# Allegro board trx_layout.brd (continued)
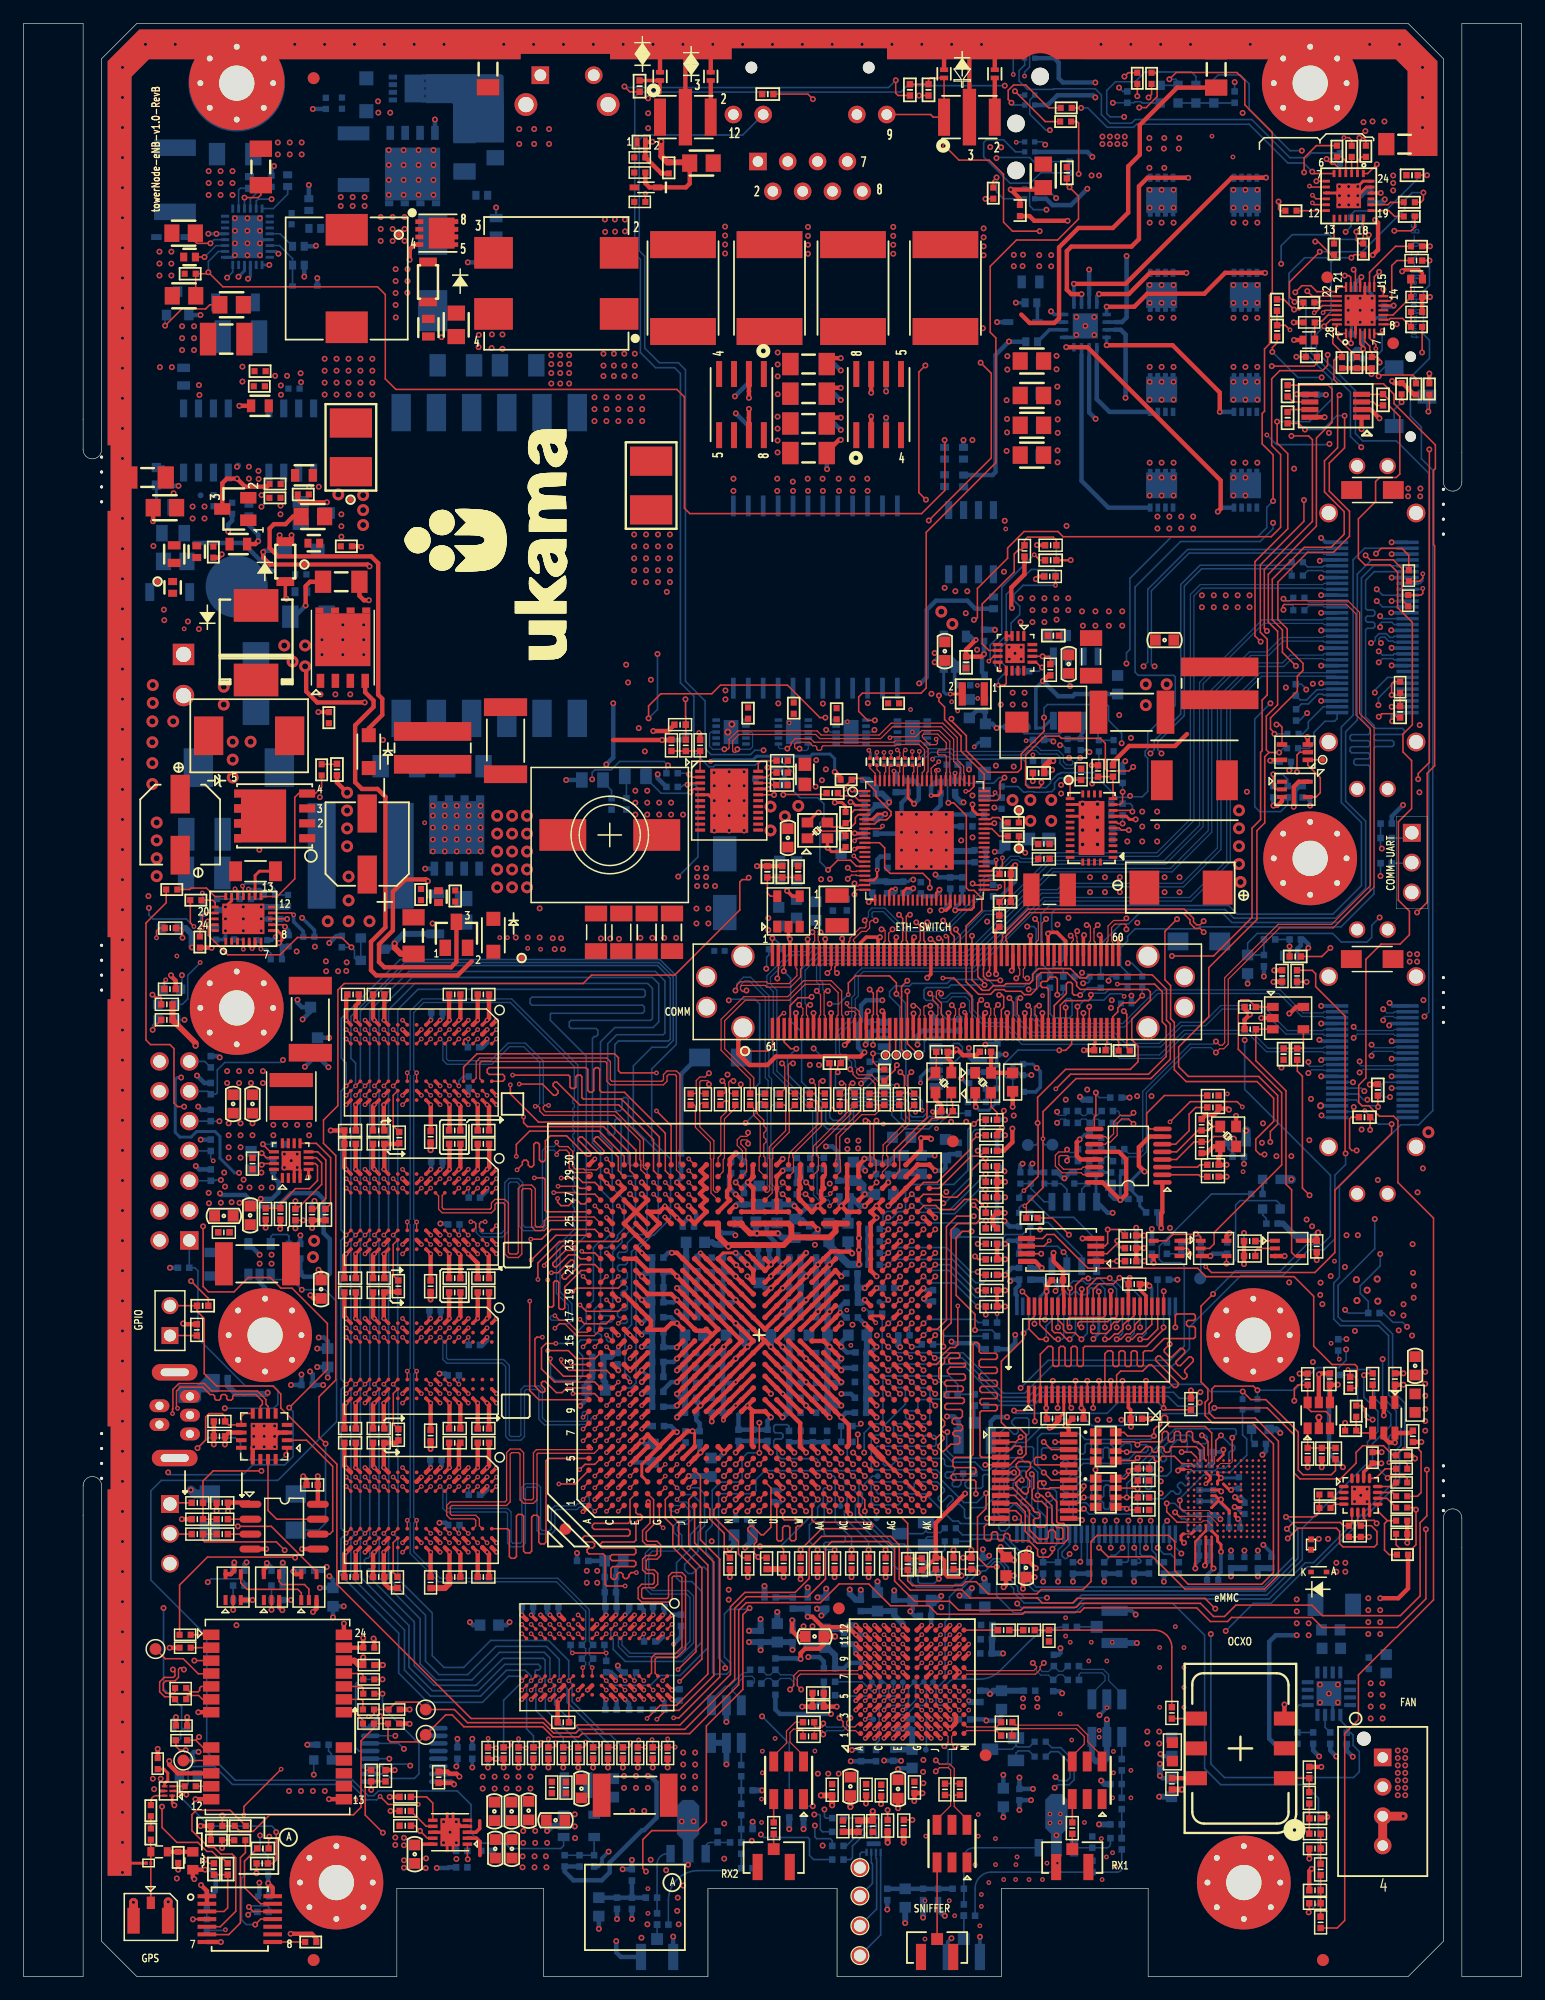
[diagram p0: board, top side]
## Copper pours and planes (outline as drawn; the poured copper is in the pictures) (continued)
N18723580 on L6-SIGNAL: 21.86,153.35 10.72,153.35 10.72,135.43 19.71,135.43 19.71,139.29 17.91,141.08 14.63,141.08 13.94,141.77 13.94,150.24 21.86,150.24
N18787052 on TOP: 24.03,128.37 24.03,125.91 25.41,125.91 25.41,128.37
N18787052 on BOTTOM: 25.59,128.87 25.59,126.06 24.39,124.85 22.91,124.85 22.91,126.06 23.66,126.06 24.12,126.52 24.12,128.87
N18823954 on TOP: 21.63,127.35 21.63,124.22 22.31,124.22 22.31,127.35
N18823954 on BOTTOM: 23.74,128.81 23.74,126.83 23.28,126.36 22.59,126.36 22.35,126.12 22.35,124.26 21.04,124.26 21.04,126.74 21.31,127.02 22.62,127.02 23.13,127.53 23.13,128.81
N19490275 on TOP: 18.37,126.4 18.37,125.27 19.97,125.27 19.97,124.81 21.25,124.81 21.25,126.4
N19490275 on BOTTOM: 20.57,126.42 20.57,124.86 19.97,124.86 19.97,125.04 17.37,125.04 17.37,126.42
N19519743 on TOP: 24.92,125.08 24.92,121.5 27.41,121.5 27.41,125.08
N19519743 on BOTTOM: 27.59,125.11 27.59,122.34 25.14,122.34 25.14,125.11
N19520227 on TOP: 21.62,120.87 24.55,120.87 24.55,122.98 21.28,122.98 21.28,121.21
N19520227 on BOTTOM: 24.48,124.18 24.48,122.42 21.53,122.42 21.53,123.22 22.86,123.22 22.86,124.18
N19637840 on BOTTOM: 32.68,104.32 32.68,102 36.86,102 36.86,104.32
N27144604 on TOP: 86.46,111.62 86.46,106.23 85.95,105.72 85.95,105.69 83.08,105.69 83.08,105.7 82.93,105.7 82.85,105.77 82.85,109.48 83.72,109.48 84.12,109.89 84.12,111.57 84.17,111.62
N27144604 on BOTTOM: 84.99,111.42 84.99,110.91 85.99,109.91 85.99,107.83 85.72,107.56 83.08,107.56 82.85,107.79 82.85,110.04 84.23,111.42
N27144623 on TOP: 87.9,105.75 93.78,105.75 93.78,111.3 87.9,111.3
N27144923 on TOP: 23.19,70.48 20.78,70.48 20.52,70.74 20.52,74.04 20.65,74.17 24.71,74.17 24.84,74.04 24.84,71.37 24.16,71.37 23.91,71.63 23.26,71.63 23.19,71.56
N27144923 on BOTTOM: 21.92,70.55 24.71,70.55 24.71,73.15 20.9,73.15 20.9,71.4 21.92,71.4
N27144939 on TOP: 24.97,74.55 16.97,74.55 16.97,77.72 20.15,77.72 21.95,79.52 26.86,79.52 26.86,74.68 26.49,74.31 26.24,74.55 24.97,74.55
N27144939 on BOTTOM: 17.04,74.62 17.04,77.2 17.31,77.47 20.52,77.47 20.67,77.32 20.67,74.9 20.39,74.62
N27171184 on TOP: 55.87,100.5 55.87,101.27 51.86,101.27 51.86,95.83 56.02,95.83 56.12,95.93 56.12,96.83 56.65,97.36 58.07,97.36 58.09,97.38 58.09,100.22 56.15,100.22
N27171184 on BOTTOM: 56.57,100 55.86,100.71 53.92,100.71 53.52,101.11 53.37,101.25 51.9,101.25 51.87,101.22 51.87,99.7 49.71,99.7 49.71,98.55 56.44,98.55 56.57,98.68
N27171634 on TOP: 47.09,94.93 47.94,94.07 47.94,89.62 48.06,89.5 56.33,89.5 56.39,89.56 56.39,94.52 56.28,94.64 52.35,94.64 51.31,95.67 51.31,109.09 51.27,109.13 31.13,109.13 31.13,104.73 43.61,104.73 44.17,104.17 44.17,95.14 44.38,94.93
N37586451 on TOP: 98.45,18.82 98.45,16.74 98.33,16.61 96.57,16.61 96.52,16.66 96.52,18.37 96.57,18.41 97.16,18.41 97.31,18.57 97.31,18.8 97.33,18.82
N42451043 on BOTTOM (solid shape): 16.71,51.28 16.71,49.88 16.56,49.74 15.14,49.74 15.14,49.08 14.9,48.85 13.19,48.85 13.19,50.35 14.77,50.35 15.45,51.03 15.45,51.21 15.55,51.31 16.68,51.31
N42452839 on TOP: 44.5,17.38 51.25,17.38 51.25,17.39 53.53,17.39 53.53,15.66 51.27,15.66 51.27,13.73 48.42,13.73 48.42,16.15 48.3,16.28 44.5,16.28
N42452839 on BOTTOM: 47.6,15.18 47.6,17.38 53.93,17.38 53.93,15.83 50.96,15.83 50.96,16.14 49.13,16.14 49.13,15.18
N42452875 on BOTTOM: 46.52,17.4 46.52,13.43 44.95,13.43 44.64,13.73 44.64,17.14 44.9,17.4
N42452897 on TOP: 16.72,66.9 17.07,66.55 17.07,63.98 16.92,63.83 16.92,62.81 17.05,62.68 17.89,62.68 17.98,62.59 17.98,58.62 15.54,58.62 15.54,66.9
N42452897 on BOTTOM: 15.34,61.19 15.34,66.97 15.42,67.05 16.78,67.05 17.03,66.8 17.03,65.46 16.85,65.28 16.87,65.28 16.87,62.6 17.67,62.6 17.67,61.19
N42452941 on BOTTOM: 15.59,60.32 18.67,60.32 18.67,60.15 19.51,60.15 19.51,59.13 15.59,59.13
N42578544 on TOP: 10.71,18.03 11.96,18.03 11.96,16.68 11.84,16.55 10.82,16.55 10.71,16.67
N42578544 on BOTTOM: 13.79,18.69 13.79,16.43 10.72,16.43 10.72,17.65 13.16,17.65 13.16,18.69
N42578544 on L6-SIGNAL: 10.67,17.18 10.67,13.82 14.13,13.82 14.13,17.18
N42578957 on TOP: 110.26,36.59 109.2,36.59 109.2,34.22 110.26,34.22
N42624203 on TOP: 92.38,95.12 98.09,95.12 98.48,95.5 98.48,103.38 98.22,103.63 95.05,103.63 94.92,103.5 94.92,97.72 94.47,97.27 93.96,97.27 93.81,97.41 92.44,97.41 92.38,97.36
N42624203 on BOTTOM: 92.47,96.32 96.65,96.32 96.95,96.63 96.95,99.48 95,99.48 95,97.56 94.53,97.09 92.47,97.09
N42624207 on TOP: 100.51,91.19 100.51,105.03 100.13,105.41 98.88,105.41 98.55,105.74 98.55,109.47 105.62,109.47 105.71,109.38 105.71,97.61 105.37,97.26 105.37,91.19
N42624207 on L6-SIGNAL: 94.03,94.38 94.03,99.81 104.57,99.81 104.57,93.18 103.97,92.58 101.8,92.58 100.09,94.29 100.09,94.38
N42788670 on TOP: 37.19,91.8 34.65,91.8 34.65,86.89 36.45,86.89 36.45,88.34 35.99,88.34 35.99,90.78 37.19,90.78
N42788670 on BOTTOM: 34.16,92.56 34.16,89.42 35.41,89.42 35.41,90.98 38.25,90.98 38.25,92.33 38.02,92.56
N42788707 on BOTTOM: 21.29,120.12 21.29,117.78 22.75,117.78 22.78,117.75 22.78,117.54 23.49,117.54 23.49,120.12
N42788707 on BOTTOM: 12.97,117.11 14.85,117.11 14.85,123.52 12.97,123.52
N42788721 on TOP: 33.25,91.94 33.25,91.78 32.81,91.78 32.81,88.13 34.26,88.13 34.26,88.87 34.26,91.94
N43211663 on TOP: 65.99,88.91 65.99,90.58 66.27,90.85 70.67,90.85 70.72,90.8 70.72,89.16 70.25,88.7 68.42,88.7 68.23,88.89 68.23,89.18 68.12,89.29 67.02,89.29 66.84,89.12 66.84,88.76 66.05,88.76 65.97,88.84 65.97,88.89
N43486718 on TOP: 19.55,92.63 19.6,92.58 19.6,91.66 19.61,91.65 19.85,91.65 19.87,91.67 19.87,92.41 19.88,92.42 19.88,92.65 20.26,93.03 22.24,93.03 22.55,93.34 22.55,101.1 17.85,101.1 17.85,96.41 19.56,94.71 19.55,92.7
N43812316 on TOP: 52.19,150.92 52.41,150.92 52.41,156.99 48.45,156.99 48.45,160.76 49.36,160.76 49.36,162.23 49.08,162.23 49.08,162.66 46.52,162.66 46.52,150.79 52.19,150.79
N44214374 on BOTTOM: 79.62,127.2 79.62,124.08 80.69,124.08 80.69,127.2
N44214398 on BOTTOM: 82.32,120.16 82.32,117.17 83.21,117.17 83.21,120.16
N44214404 on BOTTOM: 78.08,127.17 78.08,126 78.47,125.61 78.47,124.13 78.49,124.1 79.13,124.1 79.16,124.13 79.16,125.84 78.85,126.14 78.85,127.17 78.85,127.17 78.09,127.17
N44222448 on BOTTOM: 78.06,129.48 78.06,127.59 78.09,127.56 78.84,127.56 78.87,127.58 78.87,128.82 78.93,128.88 80.45,128.88 80.48,128.91 80.48,129.48 80.46,129.51 78.09,129.51

## Text on the board
BOTTOM: towerNode-eNB-v1.0-RevB | BOTTOM_LAYER
Ref Des/Assembly Bottom: ASSEMBLY_BOTTOM
Package Geometry/Pastemask Bottom: PASTEMASK_BOTTOM
Ref Des/Silkscreen Bottom: RESET-SW | OpenIoR Node - Ukama Inc. | Made in California | DDR-VTT | TX2 | TX1 | z | CLK-OUT | 5V | NOR-FLASH | DC-OK | SYS-RST | DC-IN | CNF-JTAG | CNF-DEBUG | CNF-UART | PPS-OUT | MASK-1 | MASK-2 | MASTER-SEL | COM | ENB | towerNode-eNB-v1.0-RevB | SILKSCREEN_BOTTOM
User.Comments: K | N | A | 6 | 5 | 10 | 24 | 1 | 12 | 13 | E | C | B | 4 | 9 | 8 | 16 | 2 | 11 | 7 | 3 | CR_456_2 | CR_456_1 | CR_123_1 | CR_123_2 | CR_1234_1 | CR_1234_2 | CR_SUT_1 | 14 | 20 | 50 | 21 | 51 | 100 | 40 | 60 | 31 | 30 | UNLESS OTHERWISE SPECIFIED | ALL DIMENSIONS ARE IN | INCHES | DATE | : | 30/11/2021 | MILS | SIZE | SCALE | DRAWING TITLE | PART NUMBER | 1/1 | SHEET | 1  OF | Life | SILKSCREEN_BOTTOM | SOLDERMASK_TOP | SOLDERMASK_BOTTOM | CAD | DATA | DO NOT MANUALLY | D | X
TOP: towerNode-eNB-v1.0-RevB | TOP_LAYER
Ref Des/Assembly Top: ASSEMBLY_TOP
Package Geometry/Pastemask Top: PASTEMASK_TOP
Ref Des/Silkscreen Top: GPS | A | COMM | RX2 | ETH-SWITCH | SNIFFER | RX1 | eMMC | OCXO | FAN | GPIO | towerNode-eNB-v1.0-RevB | COMM-UART | SILKSCREEN_TOP
L2-GND1: GND_LAYER_01
L3-SIGNAL: L3 SIGNAL 1
L4-PWR1: LAYER 4 POWER 1
L5-PWR2: LAYER 5 POWER 2
L6-SIGNAL: LAYER 6 SIGNAL 2
L7-GND2: LAYER 7 GROUND 2
XSECTION_CHART: *  SURFACE - AIR 0 MIL | L1: TOP CONDUCTOR - COPPER 1.6 MIL | *  DIELECTRIC - FR-4 2.9 MIL | L2: L2-GND1 PLANE - COPPER 1.2 MIL | *  DIELECTRIC - FR-4 4 MIL | L3: L3-SIG1 CONDUCTOR - COPPER 0.6 MIL | *  DIELECTRIC - FR-4 6.6 MIL | L4: L4-PWR1 PLANE - COPPER 1.2 MIL | *  DIELECTRIC - FR-4 3.5 MIL | L5: L5-SIG2 CONDUCTOR - COPPER 1.2 MIL | *  DIELECTRIC - FR-4 18.8 MIL | L6: L6-SIG3 CONDUCTOR - COPPER 1.2 MIL | L7: L7-PWR2 PLANE - COPPER 1.2 MIL | L8: L8-SIG4 CONDUCTOR - COPPER 0.6 MIL | L9: L9-GND2 PLANE - COPPER 1.2 MIL | L10: BOTTOM CONDUCTOR - COPPER 1.6 MIL | DESIGN CROSS SECTION CHART | ___________________________ | TOTAL THICKNESS 64.4 MIL | 1-10
PAGE_OUTLINE: UPDATE
DISPLAY_TOP: 4.30 | 7.30 | 0.00\P[0.0] | 3.15\P[3.2] | 7.25\P[7.3] | 7.50\P[7.5] | 0.12\P[0.1] | 0.50\P[0.5] | 1.05\P[1.1] | 1.48\P[1.5] | 2.03\P[2.0] | 2.47\P[2.5] | 3.02\P[3.0] | 3.45\P[3.5] | 4.00\P[4.0] | 4.50\P[4.5]
DISPLAY_BOTTOM: 0.91\P[0.9] | 0.19\P[0.2] | 3.30\P[3.3] | 2.20\P[2.2] | 0.20\P[0.2] | 0.00\P[0.0] | 2.26\P[2.3] | 3.81\P[3.8]
DEVICE_TYPE_TOP: SENSITIVE ELECTRONIC DEVICES-CLASS 1 | CAUTION | IPC-SM-840C AND SHALL BE MATT BLACK IN COLOR AND APPLIED OVER BARE COPPER. | DIELECTRIC: FR4 AS PER IPC-4101/21. | THERE SHALL BE NO SILKSCREEN ON ANY SOLDERABLE AREA. | 10. FOR ALL NON SPECIFIED TOLERANCE FOR FINISH HOLES SIZE IS +/- 3 MILS | 11. GERBER SHOULD BE VERIFIED FOR 100% CONTINUITY AND SHORTS | 16. ALL VIAS SHOULD BE FILLED WITH FLAT SURFACE FINISH | 13. VENDOR TO IDENTIFY TEST PASSED IN SECONDARY  SIDE. | 12. BOW AND TWIST SHALL NOT EXCEED 0.75% OF LONGEST SIDE. | 15. PCB MANUFACTURER TO MODIFY AND ADD BATCH CODE AT TIME OF FABRICATION. | 14. ALL DIMENSIONS ARE IN:MILS UNLESS OTHERWISE SPECIFIED | NOTES: UNLESS OTHERWISE SPECIFIED. | 3. UNLESS OTHERWISE MENTIONED FABRICATE AS PER IPC-6012D CLASS 2. | 4. MATERIAL: | 9. MINIMUM CONDUCTOR WIDTH:3.28 MILS. | 5. SURFACE FINISH:IMMERSION GOLD | 6. SOLDER MASK MATERIAL SHALL MEET ALL THE REQUIREMENTS OF | 7. SILK SCREEN LEGEND TO BE APPLIED AS PER LAYER STACKUP | 8. DONT KEEP PCB MANUFACTURER LOGO IN PCB. | 1. THIS FILE IS TO BE USED IN CONJUNCTION WITH THE GERBER FILE | 2. ALL ARTWORK PATTERNS ARE VIEWED FROM TOP. | COPPER: AS PER STACKUP. | DO NOT CHANGE THE FONT SIZE. | AND DRILL DATA WHERE APPLICABLE. | MINIMUM DRILL/PAD SIZE:08/16 MILS | MINIMUM SPACING:3.4 MILS. | USING YELLOW NON-CONDUCTIVE EPOXY INK. | THE BBT REPORT SHOULD BE DELIVERED ALONG WITH PCBS. | TESTING STRICTLY USING IPC-D-356A | FABRICATION DRAWING
COMPVAL_TYPE_TOP: (0.08+/-10% INCHES) | UNITS -INCHES | SECONDARY SIDE, SILK SCREEN | SECONDARY SIDE, SOLDER MASK | INNER1 LAYER, LAYER 6 - 0.0013 INCHES | PRIMARY SIDE, SOLDER MASK | DIELECTRIC | GROUND LAYER, LAYER 7 - 0.0013 INCHES | PRIMARY SIDE, SILK SCREEN | PRIMARY SIDE, LAYER 1 - 0.0022 INCHES | SECONDARY SIDE, LAYER 8 - 0.0022 INCHES | INNER1 LAYER, LAYER 3 - 0.0013 INCHES | POWER LAYER, LAYER 5 - 0.0013 INCHES | GROUND LAYER, LAYER 2 - 0.0013 INCHES | POWER LAYER, LAYER 4 - 0.0013 INCHES | 0.0037 INCHES | 0.0040 INCHES | 0.014 INCHES | 0.0193 INCHES | 0.0007 INCHES
BODY_CENTER: 2.15\P[2.2] | 6.35\P[6.3] | 3.75\P[3.7] | 3.25\P[3.2] | 0.32\P[0.3] | 0.00\P[0.0] | 6.50\P[6.5] | 0.45\P[0.5] | 0.79\P[0.8] | 0.94\P[0.9] | 3.61\P[3.6] | 3.83\P[3.8] | 4.05\P[4.1] | 4.50\P[4.5]
User.12: 21 | 1 | 20 | 40 | 51 | 100 | 50 | +
User.14: 1 | 21 | 20 | 40 | 51 | 100 | 50 | A | B | K | N | C | E | 4 | 5 | 3 | 12 | 9 | 13 | 8 | 17 | 16 | G | S | D | 6 | 2 | 24 | ASSEMBLY_TOP
User.15: 4 | 3 | 5 | 8 | 9 | 17 | 12 | 13 | 16 | 2 | 1 | G | D | S | + | A43 | A56 | A1 | A42 | A14 | A29 | A28 | A15
User.17: A | B | K | N | C | E | 4 | 5 | 3 | 9 | 12 | 13 | 8 | 16 | G | S | D | 2 | 1 | M | 7 | 10 | 6 | AB | 22 | 36 | 37 | 14 | 51 | 100 | 50 | 24 | SILKSCREEN_TOP | 49 | 64 | 48 | 33 | 32 | 17 | DXF_OF_SDR_BOARD
User.18: K | N | A | B | C | E | 6 | 5 | 10 | 24 | 1 | 12 | 13 | 4 | 3 | 9 | 8 | 16 | G | S | D | 2 | M | 7 | AB | 22 | 36 | 37 | 14 | 20 | 50 | 51 | 21 | 40 | 100 | 60 | 31 | 30 | 11 | SILKSCREEN_BOTTOM | SILKSCREEN_TOP | 49 | 64 | 48 | 33 | 32 | 17
User.19: 12 | A | B | K | C | N | E | 24 | 13 | 4 | 1 | AA | AB | D | F | G | H | J | L | M | P | R | T | U | V | W | Y | 5 | 10 | 15 | 20 | 22 | 8 | 9 | 16 | S | 3 | 61 | 6 | 120 | 60 | OC - TowerNode - SDR v1 Rev-A | ASSEMBLY_TOP
User.20: D | G | S | K | A | N | 1 | 3 | 2 | E | C | B | 6 | 4 | 24 | 12 | 13 | 31 | 60 | 40 | 21 | 51 | 100 | 50 | 30 | 20 | OC - TowerNode - SDR v1 Rev-A | ASSEMBLY_BOTTOM
User.21: N | K | A | 36 | 12 | 24 | 37 | B | 13 | 48 | C | E | 14 | 8 | 15 | 4 | 7 | 21 | 28 | 22 | 10 | 3 | 5 | 6 | 1 | M | 49 | 64 | 2 | 16 | 33 | 32 | D | G | S | 11 | 20 | 31 | 40 | 51 | 60 | 100 | 30 | 50 | 9 | AB | R | 61 | P | 120 | OC - TowerNode - SDR v1 Rev-A | SILKSCREEN_BOTTOM | SILKSCREEN_TOP
User.22: N | K | A | 36 | 12 | 24 | 37 | B | 13 | 48 | C | E | 14 | 8 | 15 | 4 | 7 | 21 | 28 | 22 | 10 | 3 | 5 | 6 | 1 | M | 49 | 64 | 2 | 16 | 33 | 32 | 9 | AB | D | R | 61 | P | 120 | 60
User.23: D | 4 | G | S | 2 | 5 | 8 | 7 | K | A | N | 1 | 3 | 14 | 11 | 20 | E | C | B | 24 | 6 | 12 | 13 | 21 | 31 | 40 | 51 | 60 | 100 | 30 | 50 | 9 | 16 | 10 | OC - TowerNode - SDR v1 Rev-A | SILKSCREEN_BOTTOM
User.24: R474 | R473 | R72 | R73 | R75 | R77 | R57 | R59 | R60 | R63 | R70 | J5 | J3 | TP12 | CON1 | J2 | J4 | R102 | R96 | R98 | U45 | C83 | C76 | R99 | C91 | 12 | R103 | TP4 | TP14 | L3 | C10 | C123 | N | U35 | H1 | D8 | U17 | K | H4 | A | U19 | U36 | U42 | L10 | H5 | C90 | R69 | U37 | C113 | H7 | C108 | C100 | T1 | C126 | C55 | C94 | C77 | C34 | C84 | 13 | R1 | D12 | B | C101 | C109 | C114 | C56 | C95 | C163 | R189 | C78 | C85 | R192 | N1 | C | Q9 | L1 | E | J1 | U27 | U34 | U14 | U18 | TP3 | G1 | TP15 | TP13 | C110 | C115 | E1 | C128 | C102 | C57 | C79 | C86 | C96 | C1 | C103 | C58 | C80 | C97 | C111 | C116 | C87 | C129 | A1 | 1 | 2 | 3 | 7 | 8 | 9 | 4 | 5 | D11 | L23 | 30 | 29 | 27 | 25 | 23 | 21 | 19 | 17 | 15 | 11 | R169 | U38 | D7 | L6 | L24 | J9 | R196 | C188 | C180 | G | TP6 | TP7 | TP8 | TP9 | J | R35 | L | F1 | U9 | U25 | C167 | C171 | R | U41 | C154 | 61 | F2 | R39 | R49 | C138 | C140 | U | C142 | C146 | W | C132 | R40 | C31 | L4 | R51 | C38 | Y1 | L22 | F3 | F4 | U40 | U10 | L25 | R197 | J8 | J7 | R257 | Y2 | C22 | R29 | C17 | R31 | C181 | C59 | TP5 | C74 | M | R53 | R50 | R52 | R55 | R58 | C131 | C60 | R97 | R100 | R105 | R114 | R115 | R93 | R95 | R110 | R112 | R86 | R87 | R89 | R91 | U5 | C137 | C139 | C141 | C145 | L8 | U30 | R160 | L9 | L2 | 48 | C400 | C219 | U23 | R442 | D | C402 | U39 | C107 | U11 | U26 | C89 | S | R101 | R108 | R111 | C158 | R79 | C148 | C153 | C401 | C231 | R2 | R4 | R10 | R15 | 60 | 120 | U16 | R94 | 24 | R141 | R131 | R137 | R130 | C36 | L7 | R124 | U32 | Y3 | R74 | R76 | R78 | R84 | R90 | R92 | U43 | H8 | R104 | R109 | H6 | R573 | R27 | C179 | R198 | C73 | H3 | H2 | U28 | C168 | R194 | C173 | R106 | C2B1 | C54 | R107 | U49 | U29 | C5 | R12 | R16 | R18 | R20 | R572 | TP1 | R570 | R24 | R26 | D14 | C15 | F5 | C147 | R172 | R65 | R64 | R161 | R163 | C9 | C156 | C50 | C52 | R201 | R167 | R170 | C133 | C136 | R164 | R165 | R171 | R168 | U46 | D9 | C18 | R33 | R11 | C6 | R6 | D6 | C3 | U2 | R578 | R22 | R23 | R25 | R28 | U3 | C4 | R186 | R188 | C12 | C14 | C11 | C13 | R5 | R3 | R13 | R574 | D13 | R135 | R140 | R21 | U4 | U31 | U24 | U69 | R9 | R14 | R17 | R19 | R376 | R139 | R142 | R378 | R129 | R132 | R136 | FB1 | C2 | TP52 | R116 | FB2 | R68 | C28 | C30 | C25 | C92 | R472 | C127 | R471 | R88 | R159 | C176 | R113 | R125 | C81 | C98 | C112 | C130 | C470 | R173 | C165 | C174 | R174 | D10 | C166 | C175 | R175 | C164 | R176 | R177 | R178 | C186 | R179 | C182 | R180 | C183 | C465 | R181 | C468 | R182 | R183 | D2 | R184 | R185 | R265 | C61 | C228 | U47 | D3 | R38 | C62 | C63 | R148 | C64 | L20 | C149 | C65 | R149 | C66 | R150 | C67 | R151 | C68 | C41 | R152 | C69 | C35 | L12 | L14 | C43 | R153 | C70 | L19 | AA | R154 | R80 | TP10 | C170 | AC | C157 | R155 | R81 | C44 | R193 | R41 | TP11 | C160 | C187 | C71 | R156 | AE | C169 | R42 | C161 | TP44 | C72 | C184 | R157 | R190 | R43 | AG | TP45 | C159 | R82 | C185 | R145 | R191 | R44 | TP46 | R83 | AJ | R45 | R146 | TP47 | L18 | AK | R46 | D4 | R158 | C189 | R47 | C125 | R48 | R147 | R443 | U48 | U15 | D5 | L5 | L11 | L13 | C248 | R32 | C48 | R162 | C20 | C82 | C21 | R273 | L16 | C143 | C19 | R274 | L15 | R166 | C155 | U22 | C75 | C88 | U20 | R85 | C257 | U13 | U21 | U8 | U7 | R126 | R282 | D26 | R123 | C152 | R195 | R127 | R187 | R200 | C93 | D25 | R121 | R199 | R128 | R118 | R122 | C348 | R119 | C104 | R120 | R117 | J19 | C117 | C329 | L17 | L21 | C172 | C150 | C151 | C177 | R67 | R36 | C23 | C7 | R7 | R577 | Q10 | R576 | R8 | C8 | Q1 | Q2 | Q3 | Q5 | NR2 | NR1 | R144 | Q4 | Q6 | Q7 | Q8 | C121 | C381 | C122 | R34 | R447 | R446 | C454 | C368 | C106 | C24 | R54 | C49 | C238 | TP2 | C178 | R383 | U33 | R143 | R138 | R133 | C119 | C33 | L42 | C425 | R56
User.25: LED9 | LED4 | LED5 | LED7 | LED8 | LED10 | LED3 | LED6 | LED11 | R396 | R377 | R363 | R366 | R370 | R373 | D23 | D24 | D1 | S | G | R299 | D | C326 | R398 | C408 | C203 | L27 | C208 | SW1 | SW2 | C105 | K | C334 | 3 | A | N | R397 | R399 | 1 | 2 | C311 | D15 | C240 | D22 | U50 | C217 | U70 | R364 | C268 | C319 | C379 | R292 | R441 | C469 | R360 | M3 | R381 | R329 | R375 | R293 | R321 | C369 | R440 | L26 | C416 | E | C211 | C | FB3 | FB4 | Q24 | B | C218 | C415 | C353 | C427 | R403 | R361 | C346 | R385 | C430 | C437 | C403 | C404 | C414 | R271 | R402 | C395 | C436 | R410 | C413 | R270 | C295 | C303 | C308 | C317 | C325 | C327 | C333 | C340 | C347 | C354 | C361 | C370 | R401 | C412 | 24 | C338 | C345 | C352 | C359 | C367 | C294 | C299 | C312 | C316 | C324 | L35 | C332 | R272 | R269 | C227 | F9 | C392 | C390 | C259 | C337 | C344 | C351 | C358 | C366 | C293 | C302 | C307 | C315 | C323 | J17 | C331 | L33 | C290 | C406 | F8 | C350 | C357 | C365 | C336 | C343 | U63 | C328 | C292 | C301 | C306 | C314 | C322 | C313 | C321 | C349 | C356 | C364 | C330 | C342 | C335 | C305 | C291 | C300 | TP41 | C440 | C444 | C279 | F7 | C289 | C252 | TP42 | R445 | C429 | R444 | C241 | C242 | C431 | R407 | R408 | C245 | C247 | TP40 | C462 | C99 | C428 | C287 | C134 | C341 | C135 | C190 | R369 | R372 | TP29 | TP30 | TP38 | 8 | 5 | TP20 | R579 | R348 | C277 | TP25 | TP28 | 12 | R331 | R334 | R341 | R345 | L29 | R352 | F6 | TP27 | TP26 | 4 | C417 | TP24 | R354 | C405 | TP18 | 13 | TP39 | U66 | L37 | R365 | C438 | J18 | R374 | R312 | R317 | R320 | R328 | R330 | R335 | R343 | R346 | R349 | R350 | R351 | R353 | C355 | C443 | C447 | J14 | C239 | C243 | C246 | R308 | R306 | R303 | C424 | R368 | R30 | C206 | C220 | TP16 | C221 | R337 | L43 | C363 | LED2 | C296 | TP17 | C263 | C265 | U64 | C16 | C253 | R409 | J6 | R315 | R310 | J16 | R316 | C276 | R344 | R332 | R339 | R302 | R304 | R275 | C249 | C274 | C267 | R347 | R219 | R221 | R229 | R233 | R300 | TP19 | C255 | R333 | R66 | U12 | C51 | 31 | 60 | 40 | 21 | C451 | C445 | C455 | R235 | R236 | R239 | R231 | R336 | C298 | BT1 | R569 | R568 | R567 | R564 | R586 | 30 | 20 | R262 | R268 | C215 | U1 | FB5 | FB6 | R249 | M2 | C202 | C212 | M1 | R230 | T2 | C207 | R267 | R242 | R261 | S1 | U54 | R259 | R260 | C256 | U58 | U53 | U57 | R246 | R248 | R251 | R252 | T1 | J11 | U56 | U52 | U55 | U68 | U67 | R382 | R384 | D18 | R247 | R250 | R253 | R254 | R237 | R245 | 29 | 28 | R437 | R436 | R434 | R435 | R283 | R288 | R286 | R291 | C459 | U44 | U51 | U61 | R285 | R290 | C258 | R284 | R289 | Q20 | Q23 | Q15 | Q18 | R220 | R222 | R232 | R234 | 56 | C391 | C394 | R379 | R380 | U60 | C362 | C360 | C393 | C382 | Q19 | Q22 | Q14 | Q17 | C230 | R256 | R255 | U59 | C216 | U62 | C213 | J12 | J13 | L1 | C118 | C120 | L45 | C40 | C37 | C229 | R266 | C320 | R134 | C124 | R307 | R37 | U6 | C26 | R565 | R264 | C29 | R276 | C27 | C389 | D20 | Q21 | C339 | D19 | D17 | C388 | C260 | C210 | C449 | C448 | R294 | R429 | D16 | C461 | R428 | C460 | R427 | C222 | R426 | R425 | C46 | R424 | R433 | D21 | U65 | R423 | C458 | C42 | R422 | R432 | C466 | R421 | C233 | C39 | R420 | C467 | C232 | R362 | R419 | R418 | C32 | C435 | C162 | R417 | C378 | C418 | C432 | C377 | C273 | C281 | C380 | C45 | C286 | R319 | C280 | C464 | C373 | R313 | C372 | C278 | C304 | L40 | C262 | C371 | C261 | L32 | C419 | C383 | R371 | R439 | R318 | R311 | C421 | C283 | R400 | C376 | R438 | C270 | L41 | C284 | C410 | C375 | TP51 | R583 | L28 | C269 | TP43 | C422 | L38 | L34 | TP49 | R581 | C374 | C275 | TP50 | R582 | C285 | L31 | C423 | TP48 | R580 | R431 | L39 | TP35 | R314 | C235 | R430 | C409 | TP34 | C272 | TP37 | C237 | C411 | L44 | TP21 | TP36 | C271 | TP22 | C251 | C450 | TP33 | L30 | C439 | C236 | TP32 | C250 | TP31 | C453 | C234 | C420 | C264 | C266 | L36 | R367 | C452 | C433 | C407 | C254 | C434 | C457 | L46 | R395 | R394 | R584 | R393 | R392 | R301 | R585 | J15 | R305 | C47 | R309 | R391 | R386 | C463 | C244 | R390 | R389 | C297 | R388 | C310 | R340 | R387 | C446 | C456 | R324 | C288 | R298 | R323 | R338 | R297 | R322 | C318 | C53 | R327 | R71 | R296 | R342 | R326 | R295 | R575 | R325 | R406 | R405 | C282 | C426 | R356 | R404 | R355 | R359 | C442 | R358 | R571 | C309 | C441 | R357 | R566 | R279 | Q25 | R238 | C209 | R223 | R241 | R225 | R240 | C204 | R228 | R243 | R224 | R227 | R244 | R226 | R263 | C205 | R258 | C226 | C225 | R280 | C224 | C223 | Q26 | R412 | R411 | R414 | R413 | R416 | Q11 | Q12 | Q13 | Q16 | R415 | R277 | R287 | C385 | C384 | C399 | C386 | C398 | R2N2 | C397 | C387 | R2N1 | C396 | C214 | *
User.26: FABRICATION DRAWING
User.27: LAYER(S) | 1 | 3 | 6 | 8 | SINGLE ENDED (50 OHM)IMPEDANCE CHART | DIFFERENTIAL SIGNAL (90 OHM)IMPEDANCE CHART | TRACE WIDTH | 5.2 | 4.60 | 5.40 | 5.00 | SEPERATION | 6.80 | 7.40 | REF LAYER | L7 | L2 | +/- 10% | TOL | DIFFERENTIAL SIGNAL (100 OHM)IMPEDANCE CHART | 4.20 | 3.75 | 7.80 | 8.25
User.30: 04JULY20 | towerNode-eNB-v1.0-RevB
User.36: FIGURE | FINISHED_SIZE | 8.0 | 10.0 | 12.0 | 19.689 | 20.0 | 27.559 | 35.402 | 39.37 | 39.402 | 40.0 | 42.0 | 45.0 | 47.201 | 51.181 | 55.118 | 62.988 | 118.11 | 35.429 | 43.0 | 47.24 | 59.0 | 78.701 | 94.48x25.591 | DRILL CHART: TOP to BOTTOM | ALL UNITS ARE IN MILS | TOLERANCE_DRILL | +3.0/-3.0 | +5.0/-5.0 | PLATED | NON-PLATED | QTY | 946 | 2539 | 17 | 64 | 71 | 5 | 16 | 2 | 8 | 6 | 14 | 4 | 12 | 1 | 3
